# Altium PCB uZed_breakout.PcbDoc (part 4 of 4)
Units mm, origin at the board's own origin, x right, y up, seen from the top; angles counter-clockwise.
Board outline 101.6 x 80.24 mm, 4 copper layers (Top Layer, Layer 1, Layer 2, Bottom Layer), stack 0.603 mm thick; 59 components, 141 nets, 617 pads, 641 vias.
Unrouted connection lines stored in the file: 23.
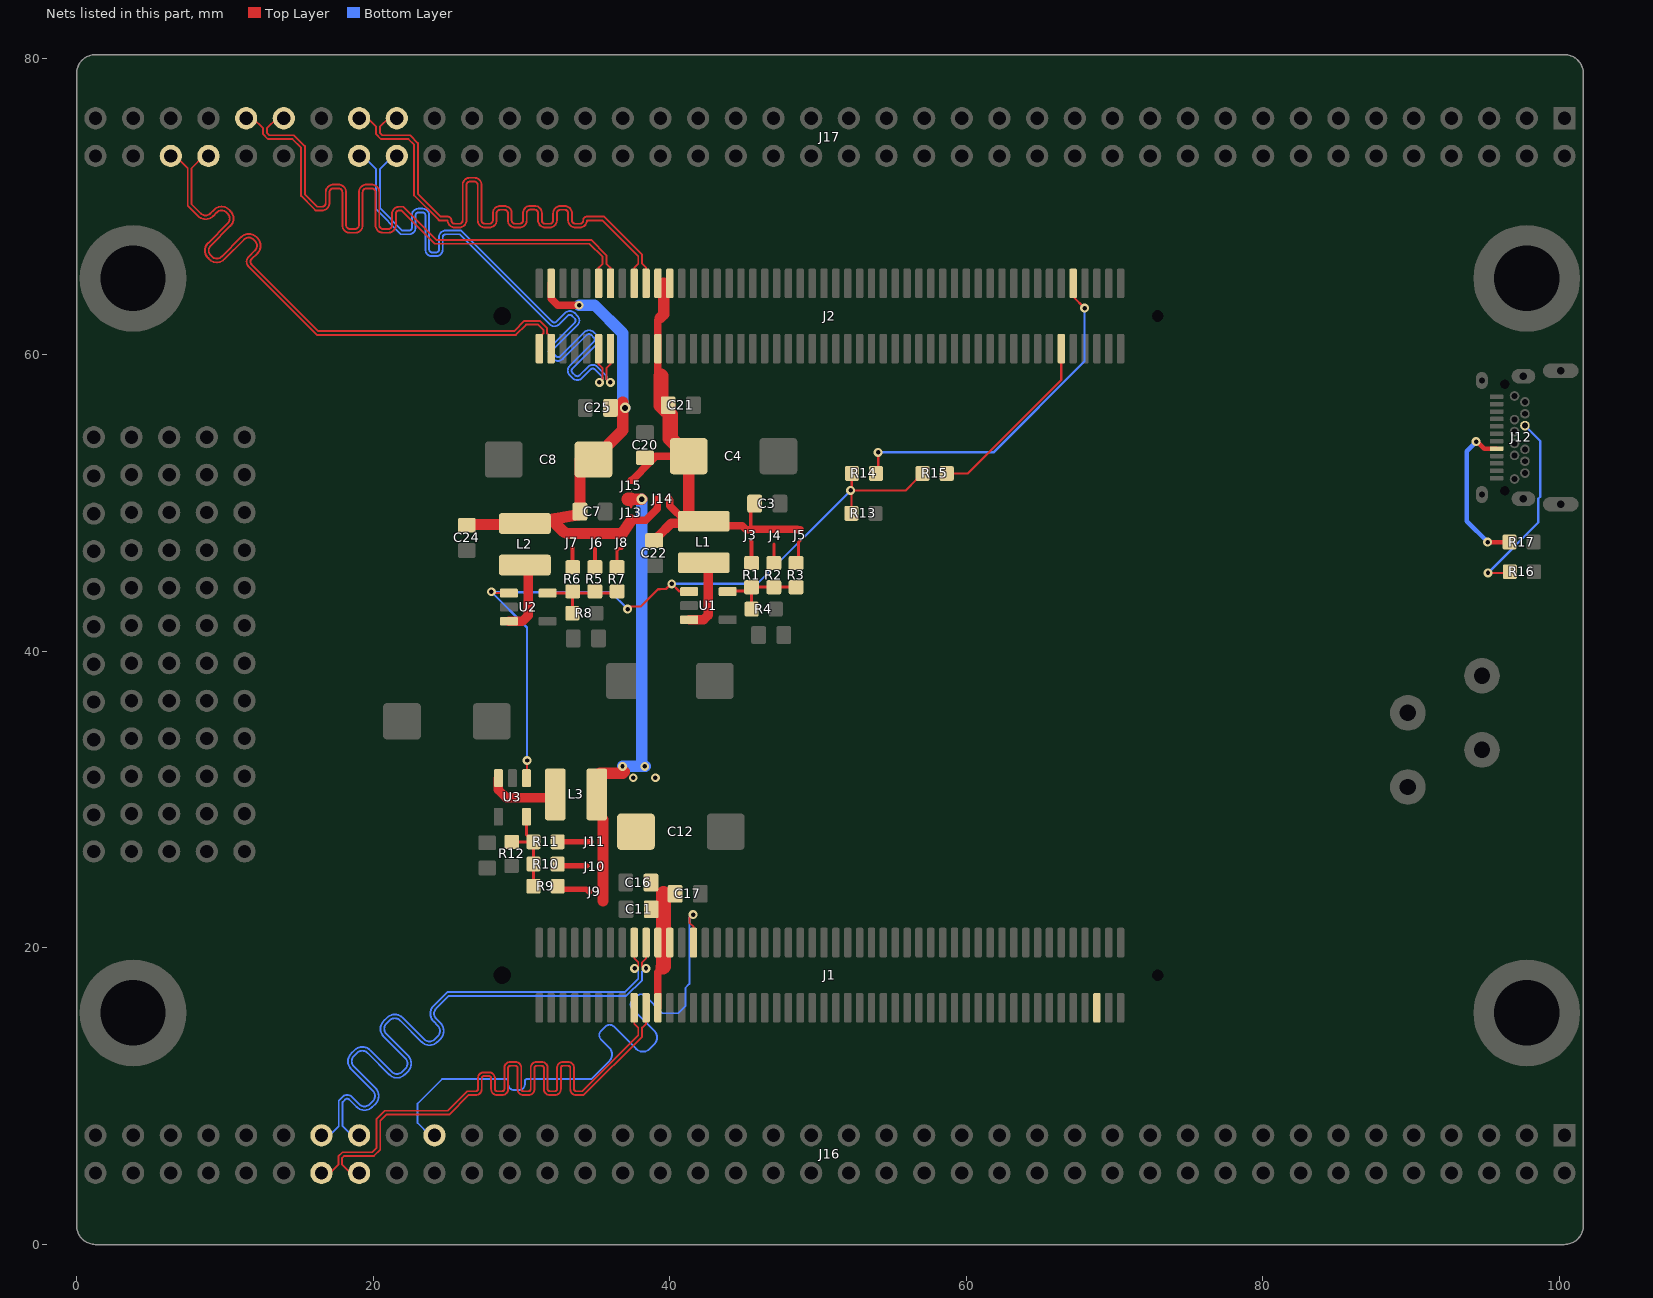
[diagram p6: the nets of this part, all layers, seen from the top]

## Via types
v1: diameter 0.6, hole 0.3, Top Layer to Bottom Layer, 562 vias
v2: diameter 0.6, hole 0.3, Top Layer to Bottom Layer, tented both sides, 75 vias
v3: diameter 0.711, hole 0.381, Top Layer to Bottom Layer, tented both sides, 4 vias

## Nets (pads, with @x,y where several pads share a name; then routed paths per layer and width w, separated by ;. In a path a pad name is that pad's centre, name@x,y a point inside that pad or via, vN(x,y) a via of type N, cw(c..) or ccw(c..) an arc to the next point about the centre after c; other vN are vias at no path point) (continued)
L21_T3_34_P: J1.74 J16.61 | length 41.6
  Top Layer w0.127: v2@41.518,22.25 41.505,22.25 41.327,22.073 41.327,21.698 41.6,21.425 J1.74@41.6,20.361
  Bottom Layer w0.127: J16.61@24.13,7.366 23.825,7.366 22.987,8.204 22.987,9.5 24.638,11.151 28.976,11.151 cw(c28.976,11.019) 29.108,11.019 29.108,10.8 ccw(c29.494,10.8) 29.494,10.414 29.84,10.414 ccw(c29.84,10.8) 30.226,10.8 30.226,11.019 cw(c30.358,11.019) 30.358,11.151 34.701,11.151 35.92,12.37 ccw(c35.466,12.824) 36.109,12.824 ccw(c35.466,12.824) 35.921,13.278 35.356,13.842 cw(c35.631,14.117) 35.356,14.392 35.669,14.705 cw(c35.944,14.43) 36.218,14.705 37.731,13.192 ccw(c38.185,13.647) 38.639,13.192 38.952,13.505 ccw(c38.498,13.959) 39.14,13.959 ccw(c38.498,13.959) 38.952,14.414 37.467,15.899 cw(c37.742,16.174) 37.467,16.449 37.779,16.761 cw(c38.054,16.486) 38.329,16.761 39.494,15.596 40.567,15.596 41.046,16.075 41.046,17.297 41.327,17.578 41.327,22.06 v2@41.518,22.25
  other v2: 41.568,22.25
L21_T3_35_N: J2.84 J17.65 | length 38.4
  Top Layer w0.127: J17.65@19.05,75.946 19.634,75.946 20.193,75.387 20.193,74.876 20.52,74.549 22.377,74.549 22.758,74.168 22.758,70.739 24.409,69.088 24.435,69.063 25.019,69.063 ccw(c25.502,69.063) 25.502,68.58 25.806,68.58 ccw(c25.806,69.063) 26.289,69.063 26.289,71.45 cw(c26.518,71.45) 26.518,71.679 26.822,71.679 cw(c26.822,71.45) 27.051,71.45 27.051,69.063 ccw(c27.534,69.063) 27.534,68.58 27.838,68.58 ccw(c27.838,69.063) 28.321,69.063 28.321,69.545 cw(c28.55,69.545) 28.55,69.774 28.854,69.774 cw(c28.854,69.545) 29.083,69.545 29.083,69.063 ccw(c29.566,69.063) 29.566,68.58 29.87,68.58 ccw(c29.87,69.063) 30.353,69.063 30.353,69.554 cw(c30.582,69.554) 30.582,69.783 30.886,69.783 cw(c30.886,69.554) 31.115,69.554 31.115,69.063 ccw(c31.598,69.063) 31.598,68.58 31.902,68.58 ccw(c31.902,69.063) 32.385,69.063 32.385,69.545 cw(c32.614,69.545) 32.614,69.774 32.918,69.774 cw(c32.918,69.545) 33.147,69.545 33.147,69.063 ccw(c33.63,69.063) 33.63,68.58 33.934,68.58 ccw(c33.934,69.063) 34.417,69.063 35.46,69.063 37.873,66.65 37.873,66.148 37.6,65.875 J2.84@37.6,64.811
L21_T3_35_P: J2.82 J17.63 | length 38.4
  Top Layer w0.127: J17.63@21.59,75.946 21.031,75.946 20.447,75.362 20.447,74.981 20.625,74.803 22.483,74.803 23.012,74.273 23.012,70.844 24.54,69.317 25.019,69.317 cw(c25.019,69.063) 25.273,69.063 ccw(c25.502,69.063) 25.502,68.834 25.806,68.834 ccw(c25.806,69.063) 26.035,69.063 26.035,71.45 cw(c26.518,71.45) 26.518,71.933 26.822,71.933 cw(c26.822,71.45) 27.305,71.45 27.305,69.063 ccw(c27.534,69.063) 27.534,68.834 27.838,68.834 ccw(c27.838,69.063) 28.067,69.063 28.067,69.545 cw(c28.55,69.545) 28.55,70.028 28.854,70.028 cw(c28.854,69.545) 29.337,69.545 29.337,69.063 ccw(c29.566,69.063) 29.566,68.834 29.87,68.834 ccw(c29.87,69.063) 30.099,69.063 30.099,69.554 cw(c30.582,69.554) 30.582,70.037 30.886,70.037 cw(c30.886,69.554) 31.369,69.554 31.369,69.063 ccw(c31.598,69.063) 31.598,68.834 31.902,68.834 ccw(c31.902,69.063) 32.131,69.063 32.131,69.545 cw(c32.614,69.545) 32.614,70.028 32.918,70.028 cw(c32.918,69.545) 33.401,69.545 33.401,69.063 ccw(c33.63,69.063) 33.63,68.834 33.934,68.834 ccw(c33.934,69.063) 34.163,69.063 cw(c34.417,69.063) 34.417,69.317 35.565,69.317 38.127,66.755 38.127,66.148 38.4,65.875 J2.82@38.4,64.811
L22_T3_13_N: J2.99 J17.76 | length 40.6
  Top Layer w0.127: J17.76@6.35,73.406 6.655,73.406 7.493,72.568 7.493,70.05 8.197,69.345 ccw(c8.699,69.847) 9.201,69.345 9.455,69.598 cw(c9.777,69.276) 10.099,69.598 10.191,69.507 cw(c9.869,69.184) 10.325,69.184 cw(c9.869,69.184) 10.191,68.862 8.86,67.531 ccw(c9.362,67.029) 8.86,66.527 8.952,66.436 ccw(c9.454,66.938) 9.956,66.436 11.287,67.766 cw(c11.609,67.444) 11.931,67.766 12.023,67.675 cw(c11.701,67.352) 12.157,67.352 cw(c11.701,67.352) 12.023,67.03 11.606,66.613 ccw(c11.944,66.275) 11.606,65.937 16.202,61.341 18.208,61.341 29.62,61.341 30.306,62.027 31.117,62.027 31.473,61.671 31.473,61.445 31.2,61.172 J2.99@31.2,60.411
L22_T3_13_P: J2.97 J17.74 | length 40.6
  Top Layer w0.127: J17.74@8.89,73.406 8.585,73.406 7.747,72.568 7.747,70.155 8.377,69.525 ccw(c8.699,69.847) 9.022,69.525 9.275,69.778 cw(c9.777,69.276) 10.279,69.778 10.371,69.686 cw(c9.869,69.184) 10.579,69.184 cw(c9.869,69.184) 10.371,68.682 9.04,67.352 ccw(c9.362,67.029) 9.04,66.707 9.131,66.615 ccw(c9.454,66.938) 9.776,66.615 11.107,67.946 cw(c11.609,67.444) 12.111,67.946 12.203,67.854 cw(c11.701,67.352) 12.411,67.352 cw(c11.701,67.352) 12.203,66.85 11.786,66.433 ccw(c11.944,66.275) 11.786,66.116 16.307,61.595 18.208,61.595 29.515,61.595 30.201,62.281 31.223,62.281 31.727,61.776 31.727,61.44 32,61.167 J2.97@32,60.411
L22_T3_34_N: J1.83 J16.68 | length 41.2
  Top Layer w0.127: J16.68@16.51,4.826 17.094,4.826 17.653,5.385 17.653,5.947 17.929,6.223 19.939,6.223 20.218,6.502 20.218,8.462 20.774,9.017 25.015,9.017 26.336,10.338 26.924,10.338 ccw(c26.924,10.477) 27.064,10.477 27.064,11.213 cw(c27.457,11.213) 27.457,11.607 27.813,11.607 cw(c27.813,11.213) 28.207,11.213 28.207,10.477 ccw(c28.346,10.477) 28.346,10.338 28.702,10.338 ccw(c28.702,10.477) 28.842,10.477 28.842,11.913 cw(c29.235,11.913) 29.235,12.306 29.591,12.306 cw(c29.591,11.913) 29.985,11.913 29.985,10.477 ccw(c30.124,10.477) 30.124,10.338 30.48,10.338 ccw(c30.48,10.477) 30.62,10.477 30.62,11.913 cw(c31.013,11.913) 31.013,12.306 31.369,12.306 cw(c31.369,11.913) 31.763,11.913 31.763,10.477 ccw(c31.902,10.477) 31.902,10.338 32.258,10.338 ccw(c32.258,10.477) 32.398,10.477 32.398,11.913 cw(c32.791,11.913) 32.791,12.306 33.147,12.306 cw(c33.147,11.913) 33.541,11.913 33.541,10.477 ccw(c33.68,10.477) 33.68,10.338 34.087,10.338 37.873,14.124 37.873,14.624 37.6,14.897 J1.83@37.6,15.961
L22_T3_34_P: J1.81 J16.66 | length 41.2
  Top Layer w0.127: J16.66@19.05,4.826 18.466,4.826 17.907,5.385 17.907,5.842 18.034,5.969 20.044,5.969 20.472,6.397 20.472,8.357 20.879,8.763 25.121,8.763 26.441,10.084 26.924,10.084 ccw(c26.924,10.477) 27.318,10.477 27.318,11.213 cw(c27.457,11.213) 27.457,11.353 27.813,11.353 cw(c27.813,11.213) 27.953,11.213 27.953,10.477 ccw(c28.346,10.477) 28.346,10.084 28.702,10.084 ccw(c28.702,10.477) 29.096,10.477 29.096,11.913 cw(c29.235,11.913) 29.235,12.052 29.591,12.052 cw(c29.591,11.913) 29.731,11.913 29.731,10.477 ccw(c30.124,10.477) 30.124,10.084 30.48,10.084 ccw(c30.48,10.477) 30.874,10.477 30.874,11.913 cw(c31.013,11.913) 31.013,12.052 31.369,12.052 cw(c31.369,11.913) 31.509,11.913 31.509,10.477 ccw(c31.902,10.477) 31.902,10.084 32.258,10.084 ccw(c32.258,10.477) 32.652,10.477 32.652,11.913 cw(c32.791,11.913) 32.791,12.052 33.147,12.052 cw(c33.147,11.913) 33.287,11.913 33.287,10.477 ccw(c33.68,10.477) 33.68,10.084 34.192,10.084 38.127,14.019 38.127,14.624 38.4,14.897 J1.81@38.4,15.961
L22_T3_35_N: J2.89 J17.66 | length 42.6
  Top Layer w0.127: J2.89@35.2,60.411 35.2,59.347 35.473,59.074 35.473,58.331 v2@35.283,58.141
  Bottom Layer w0.127: J17.66@19.05,73.406 19.304,73.406 20.193,72.517 20.193,69.796 21.866,68.123 22.413,68.123 ccw(c22.413,68.57) 22.86,68.57 22.86,69.403 cw(c23.053,69.403) 23.053,69.596 23.327,69.596 cw(c23.327,69.403) 23.52,69.403 23.52,67.097 ccw(c23.967,67.097) 23.967,66.65 24.242,66.65 ccw(c24.242,67.097) 24.689,67.097 24.689,67.93 cw(c24.882,67.93) 24.882,68.123 25.828,68.123 31.902,62.049 ccw(c32.218,62.366) 32.534,62.049 33.123,62.639 cw(c33.259,62.502) 33.396,62.639 33.59,62.445 cw(c33.453,62.308) 33.646,62.308 cw(c33.453,62.308) 33.59,62.172 31.959,60.541 ccw(c32.275,60.225) 31.959,59.909 32.153,59.715 ccw(c32.469,60.031) 32.785,59.715 34.416,61.345 cw(c34.553,61.209) 34.689,61.345 34.883,61.151 cw(c34.747,61.015) 34.94,61.015 cw(c34.747,61.015) 34.883,60.878 33.252,59.248 ccw(c33.568,58.931) 33.252,58.615 33.446,58.421 ccw(c33.762,58.737) 34.078,58.421 34.668,59.01 cw(c34.804,58.874) 34.941,59.01 35.473,58.478 35.473,58.331 v2@35.283,58.141
  other v2: 35.257,58.141
L22_T3_35_P: J2.87 J17.64 | length 42.6
  Top Layer w0.127: v2@35.918,58.141 35.727,58.331 35.727,59.074 36,59.347 J2.87@36,60.411
  Bottom Layer w0.127: J17.64@21.59,73.406 21.336,73.406 20.447,72.517 20.447,69.901 21.971,68.377 22.413,68.377 ccw(c22.413,68.57) 22.606,68.57 22.606,69.403 cw(c23.053,69.403) 23.053,69.85 23.327,69.85 cw(c23.327,69.403) 23.774,69.403 23.774,67.097 ccw(c23.967,67.097) 23.967,66.904 24.242,66.904 ccw(c24.242,67.097) 24.435,67.097 24.435,67.93 cw(c24.882,67.93) 24.882,68.377 25.933,68.377 32.081,62.229 ccw(c32.218,62.366) 32.354,62.229 32.943,62.818 cw(c33.259,62.502) 33.576,62.818 33.769,62.624 cw(c33.453,62.308) 33.9,62.308 cw(c33.453,62.308) 33.769,61.992 32.139,60.361 ccw(c32.275,60.225) 32.139,60.088 32.333,59.894 ccw(c32.469,60.031) 32.606,59.894 34.236,61.525 cw(c34.553,61.209) 34.869,61.525 35.063,61.331 cw(c34.747,61.015) 35.194,61.015 cw(c34.747,61.015) 35.063,60.699 33.432,59.068 ccw(c33.568,58.931) 33.432,58.795 33.626,58.601 ccw(c33.762,58.737) 33.899,58.601 34.488,59.19 cw(c34.804,58.874) 35.12,59.19 35.727,58.583 35.727,58.331 v2@35.918,58.141
  other v2: 35.994,58.141
L23_T3_34_N: J1.84 J16.67 | length 42.9
  Top Layer w0.127: J1.84@37.6,20.361 37.6,19.298 37.873,19.025 37.873,18.745 37.746,18.618 v2@37.683,18.618
  Bottom Layer w0.127: J16.67@16.51,7.366 17.069,7.366 17.678,7.976 17.678,9.706 17.931,9.959 cw(c18.243,9.646) 18.555,9.959 19.062,9.452 ccw(c19.41,9.8) 19.759,9.452 19.978,9.671 ccw(c19.63,10.02) 20.122,10.02 ccw(c19.63,10.02) 19.978,10.368 18.52,11.826 cw(c19.048,12.354) 18.52,12.883 18.739,13.102 cw(c19.267,12.574) 19.795,13.102 21.253,11.643 ccw(c21.602,11.992) 21.95,11.643 22.169,11.862 ccw(c21.821,12.211) 22.314,12.211 ccw(c21.821,12.211) 22.169,12.559 20.711,14.018 cw(c21.239,14.546) 20.711,15.074 20.93,15.293 cw(c21.458,14.765) 21.986,15.293 23.444,13.834 ccw(c23.793,14.183) 24.141,13.834 24.36,14.054 ccw(c24.012,14.402) 24.505,14.402 ccw(c24.012,14.402) 24.36,14.75 24.069,15.041 cw(c24.597,15.569) 24.069,16.097 24.914,16.942 24.99,17.018 36.959,17.018 37.873,17.932 37.873,18.428 v2@37.683,18.618
  other v2: 37.632,18.618
L23_T3_34_P: J1.82 J16.65 | length 42.9
  Top Layer w0.127: v2@38.318,18.618 38.254,18.618 38.127,18.745 38.127,19.025 38.4,19.298 J1.82@38.4,20.361
  Bottom Layer w0.127: J16.65@19.05,7.366 18.542,7.366 17.932,7.976 17.932,9.601 18.11,9.779 cw(c18.243,9.646) 18.376,9.779 18.882,9.272 ccw(c19.41,9.8) 19.939,9.272 20.158,9.492 ccw(c19.63,10.02) 20.376,10.02 ccw(c19.63,10.02) 20.158,10.548 18.699,12.006 cw(c19.048,12.354) 18.699,12.703 18.918,12.922 cw(c19.267,12.574) 19.615,12.922 21.074,11.464 ccw(c21.602,11.992) 22.13,11.464 22.349,11.683 ccw(c21.821,12.211) 22.568,12.211 ccw(c21.821,12.211) 22.349,12.739 20.89,14.197 cw(c21.239,14.546) 20.89,14.894 21.11,15.113 cw(c21.458,14.765) 21.806,15.113 23.265,13.655 ccw(c23.793,14.183) 24.321,13.655 24.54,13.874 ccw(c24.012,14.402) 24.759,14.402 ccw(c24.012,14.402) 24.54,14.93 24.249,15.221 cw(c24.597,15.569) 24.249,15.918 25.095,16.764 37.064,16.764 38.127,17.827 38.127,18.428 v2@38.318,18.618
  other v2: 38.394,18.618
L23_T3_35_N: J2.90 J17.71 | length 42.6
  Top Layer w0.127: J17.71@11.151,76.098 J17.71@11.43,76.098 ; J17.71@11.43,75.946 11.887,75.946 12.573,75.26 12.573,74.876 12.9,74.549 14.551,74.549 15.138,73.961 15.138,70.71 15.973,69.875 16.125,69.723 16.536,69.723 ccw(c16.536,70.241) 17.054,70.241 17.054,70.957 cw(c17.318,70.957) 17.318,71.222 17.654,71.222 cw(c17.654,70.957) 17.918,70.957 17.918,68.743 ccw(c18.436,68.743) 18.436,68.224 18.771,68.224 ccw(c18.771,68.743) 19.289,68.743 19.289,70.957 cw(c19.554,70.957) 19.554,71.222 19.889,71.222 cw(c19.889,70.957) 20.153,70.957 20.153,68.743 ccw(c20.671,68.743) 20.671,68.224 21.007,68.224 ccw(c21.007,68.743) 21.525,68.743 21.525,69.505 cw(c21.742,69.505) 21.742,69.723 21.917,69.723 24.152,67.488 34.584,67.488 35.473,66.599 35.473,66.148 35.2,65.875 J2.90@35.2,64.811
L23_T3_35_P: J2.88 J17.69 | length 42.3
  Top Layer w0.127: J17.69@13.97,75.946 13.513,75.946 12.827,75.26 12.827,74.981 13.005,74.803 14.656,74.803 15.392,74.066 15.392,70.815 16.231,69.977 16.536,69.977 ccw(c16.536,70.241) 16.8,70.241 16.8,70.957 cw(c17.318,70.957) 17.318,71.476 17.654,71.476 cw(c17.654,70.957) 18.172,70.957 18.172,68.743 ccw(c18.436,68.743) 18.436,68.478 18.771,68.478 ccw(c18.771,68.743) 19.035,68.743 19.035,70.957 cw(c19.554,70.957) 19.554,71.476 19.889,71.476 cw(c19.889,70.957) 20.407,70.957 20.407,68.743 ccw(c20.671,68.743) 20.671,68.478 21.007,68.478 ccw(c21.007,68.743) 21.271,68.743 21.271,69.505 cw(c21.742,69.505) 21.742,69.977 22.022,69.977 24.257,67.742 34.689,67.742 35.727,66.704 35.727,66.148 36,65.875 J2.88@36,64.811
NetJ3_2: J3.2 R1.1 | length 1.5
  Top Layer w0.254: 45.472,47.45 45.517,47.406 R1.1@45.517,45.949
NetJ4_2: J4.2 R2.1 | length 1.3
  Top Layer w0.203: R2.1@47.015,45.949 47.015,47.244
NetJ5_2: J5.2 R3.1 | length 1.6
  Top Layer w0.203: R3.1@48.514,45.949 48.692,46.127 48.692,47.371 J5.2@48.793,47.473
NetJ6_2: J6.2 R5.2 | length 1.3
  Top Layer w0.254: 34.943,46.925 34.95,46.925 R5.2@34.95,45.669
NetJ7_2: J7.2 R6.2 | length 1.3
  Top Layer w0.254: J7.2@33.436,46.967 33.436,45.669 R6.2@33.452,45.669
NetJ8_2: J8.2 R7.2 | length 1.5
  Top Layer w0.203: R7.2@36.449,45.669 36.449,46.806 36.568,46.925 36.778,46.925
NetJ9_2: J9.2 R9.1 | length 2.3
  Top Layer w0.381: R9.1@32.436,24.155 32.721,23.952 34.381,23.952 34.535,23.798 J9.2@34.596,23.798
NetJ10_2: J10.2 R10.1 | length 2
  Top Layer w0.381: R10.1@32.436,25.654 32.721,25.552 34.38,25.552
NetJ11_2: J11.2 R11.1 | length 2.2
  Top Layer w0.381: R11.1@32.436,27.153 34.654,27.153 34.676,27.175
NetJ12_A5: J12.A5 R17.1 | length 10.7
  Top Layer w0.305: v2(94.375,54.139) 94.455,54.139 94.922,53.672 95.751,53.672 J12.A5@95.753,53.67 ; v1(95.148,47.371) R17.1@96.621,47.371
  Bottom Layer w0.305: v2(94.375,54.139) 93.739,53.503 93.739,48.781 v1(95.148,47.371)
NetJ12_B5: J12.B5 R16.1 | length 13.3
  Top Layer w0.152: v1(95.174,45.288) 96.571,45.288 R16.1@96.647,45.364
  Bottom Layer w0.152: v1(95.174,45.288) 98.566,48.681 98.566,50.281 98.704,50.419 98.704,54.178 J12.B5@97.663,55.22
NetL1_1: L1.1 U1.3 | length 5
  Top Layer w0.635: U1.3@41.321,42.128 42.281,42.128 42.596,42.443 42.596,45.793 L1.1@42.418,45.971
NetL2_1: L2.1 U2.3 | length 5
  Top Layer w0.635: U2.3@29.155,42.027 30.063,42.027 30.455,42.418 30.455,45.59 L2.1@30.226,45.819
NetL3_1: L3.1 U3.3 | length 4.9
  Top Layer w0.635: U3.3@28.438,31.45 28.438,30.668 28.981,30.124 32.052,30.124 L3.1@32.28,30.353
NetR1_2: R1.2 R2.2 R3.2 R4.1 U1.5 | length 6.3
  Top Layer w0.203: U1.5@43.769,44.054 45.248,44.054 R1.2@45.517,44.323 ; R4.1@45.517,42.85 R1.2@45.517,44.323 ; R3.2@48.514,44.323 R2.2@47.015,44.323 R1.2@45.517,44.323
NetR5_1: R5.1 R6.1 R7.1 R8.2 U2.5 | length 6.2
  Top Layer w0.203: U2.5@31.755,43.927 R6.1@33.452,43.927 ; R8.2@33.426,42.57 33.452,42.596 R6.1@33.452,43.927 ; R6.1@33.452,44.043 R6.1@33.452,43.927 ; R7.1@36.449,44.043 36.332,43.927 R6.1@33.452,43.927
NetR9_2: R9.2 R10.2 R11.2 R12.1 U3.5 | length 6.4
  Top Layer w0.203: R12.1@29.337,27.153 R11.2@30.81,27.153 ; U3.5@30.338,28.85 30.338,27.625 R11.2@30.81,27.153 ; R9.2@30.81,24.155 R10.2@30.81,25.654 R11.2@30.81,27.153
PG_1V8: J2.10 R14.2 | length 23.5
  Top Layer w0.152: R14.2@53.899,51.994 54.051,52.146 v2(54.051,53.416) ; J2.10@67.2,64.811 67.2,63.915 v2(67.97,63.144)
  Bottom Layer w0.152: v2(54.051,53.416) 61.824,53.416 67.97,59.563 v2(67.97,63.144)
PG_CARRIER: J2.11 R15.2 | length 12.5
  Top Layer w0.152: R15.2@58.674,51.994 60.096,51.994 66.4,58.297 J2.11@66.4,60.411
PWR_EN: J1.5
REG_EN: R13.2 R14.1 R15.1 U1.1 U2.1 U3.1 | length 52.3
  Top Layer w0.152: v2(27.965,44.018) 28.057,43.927 U2.1@29.155,43.927 ; U3.1@30.338,31.45 30.378,31.49 v2(30.378,32.639) ; v2(37.16,42.85) 37.338,43.028 38.049,43.028 39.209,44.187 39.317,44.187 39.326,44.197 39.739,44.197 40.094,44.552 v2(40.132,44.552) 40.655,44.028 U1.1@41.3,44.028 U1.1@41.321,44.028 ; R13.2@52.248,49.301 52.248,50.8 v2(52.197,50.851) ; R14.1@52.273,51.994 52.273,50.927 v2(52.197,50.851) ; R15.1@57.048,51.994 57.048,51.992 56.653,51.596 56.651,51.596 55.905,50.851 v2(52.197,50.851)
  Bottom Layer w0.152: v2(27.965,44.018) v2@27.991,43.993 ; v2(30.378,32.639) 30.378,41.605 v2@27.991,43.993 ; v2(37.16,42.85) 36.017,43.993 v2@27.991,43.993 ; v2(40.132,44.552) 45.885,44.552 45.925,44.591 45.937,44.591 v2(52.197,50.851)
VCCIO_13: C7.2 C8.1 C24.2 C25.2 J2.98 J6.1 J7.1 J8.1 J13.2 J14.2 L2.2 | length 37.2
  Top Layer w0.508: J2.98@32,64.811 32,63.78 32.443,63.336 v2(33.882,63.336) ; 37.41,48.831 38.366,48.831 39.158,49.622 39.158,50.279
  Top Layer w0.762: C24.2@26.314,48.5 26.373,48.559 30.167,48.559 L2.2@30.226,48.619 31.695,48.838 32.263,48.937 33.822,49.21 C7.2@33.941,49.429 33.941,52.934 C8.1@34.851,52.934 36.83,54.912 36.83,56.413 36.83,56.82 ; 32.326,48.574 32.846,48.054 ; 33.081,47.944 33.436,47.944 34.943,47.944 36.499,47.944 36.524,47.944 36.55,47.944 36.575,47.944 36.6,47.944 36.626,47.944 36.651,47.944 36.677,47.944 36.702,47.944 36.727,47.944 36.753,47.944 36.778,47.944 36.786,47.944 37.41,48.831
  Bottom Layer w0.508: v2(33.882,63.336) v2@33.882,63.361
  Bottom Layer w0.762: v2(33.882,63.336) 33.893,63.348 34.925,63.348 36.828,61.445 36.828,56.568 v3(36.982,56.413)
VCCIO_34: C11.2 C12.1 C16.2 C17.2 J1.78 J1.79 J1.80 J9.1 J10.1 J11.1 J13.1 J15.1 L3.2 | length 37.7
  Top Layer w0.203: 37.389,49.733 37.389,50.251
  Top Layer w0.508: J1.79@39.2,15.961 39.2,18.372 39.548,18.72
  Top Layer w0.762: L3.2@35.08,30.353 35.08,31.563 35.299,31.782 36.823,31.782 36.926,31.885 ; 35.501,23.168 L3.2@35.501,28.647 ; 37.156,50.223 37.184,50.251 ; 37.389,50.251 v3(38.106,50.251) ; C12.1@37.717,27.838 C12.1@37.767,27.838
  Top Layer w0.889: 37.184,50.251 37.389,50.251
  Top Layer w1.016: 39.548,18.72 39.573,18.745 39.573,23.673
  Bottom Layer w0.762: v2(36.811,32.246) 38.354,32.246 38.106,32.494 v3(38.106,50.251)
  other v2: 37.535,31.475 39.034,31.475 38.309,32.246
VCCIO_35: C3.2 C4.1 C20.2 C21.2 C22.2 J2.78 J2.79 J2.80 J3.1 J4.1 J5.1 J14.1 J15.2 L1.2 | length 35.7
  Top Layer w0.254: 45.472,48.212 45.466,48.218 45.466,48.221 45.466,49.909 C3.2@45.62,50.063
  Top Layer w0.508: 37.389,51.552 37.461,51.552 38.693,52.784 39.066,53.158 C4.1@40.894,53.158 ; 39.345,62.484 39.2,62.339 J2.79@39.2,60.411 39.2,58.793 39.421,58.572 ; 39.92,50.279 40.005,50.194 40.005,49.832 L1.2@41.066,48.771 ; L1.2@43.028,48.771 43.345,48.453 44.899,48.453 45.141,48.212 45.472,48.212 ; 45.466,48.221 45.472,48.221 47.091,48.224 47.095,48.228 48.589,48.228 48.633,48.184 J5.1@48.793,48.184
  Top Layer w0.635: C22.2@38.938,47.481 39.048,47.481 39.221,47.653 39.221,47.763 40.084,48.627 41.128,48.627 41.273,48.771 L1.2@42.291,48.771 ; L1.2@42.418,48.771 L1.2@43.028,48.771
  Top Layer w0.762: 39.345,62.484 39.599,62.738 39.599,64.811 ; L1.2@41.273,48.99 C4.1@41.273,53.162
  Top Layer w1.016: 39.421,58.572 39.421,56.591 C21.2@39.649,56.363 ; C21.2@39.892,56.591 39.878,56.591 C21.2@39.649,56.363 ; C4.1@40.894,53.158 40.894,53.491 40.03,54.354 40.03,55.982 C21.2@39.649,56.363
pads on no net: C1.0 C2.0 C3.0 C4.0 C6.0 C7.0 C8.0 C9.0 C10.0 C11.0 C12.0 C16.0 C17.0 C20.0 C21.0 C22.0 C24.0 C25.0 J1. J1.1 J1.2 J1.3 J1.4 J1.6 J1.7 J1.8 J1.108 J2. J2.1 J2.2 J2.3 J2.4 J2.5 J2.6 J2.7 J2.8 J2.9 J2.108 J12.1 J12.A2 J12.A3 J12.A6 J12.A7 J12.A8 J12.A10 J12.A11 J12.B2 J12.B3 J12.B6 J12.B7 J12.B8 J12.B10 J12.B11 R1.0 R2.0 R3.0 R4.0 R5.0 R6.0 R7.0 R8.0 R9.0 R10.0 R11.0 R12.0 R13.0 R14.0 R15.0 R16.0 R17.0 U1.0 U2.0 U3.0

## Polygon pours and split planes (outlines as drawn)
GND on Top Layer "Top Layer-GND" (solid, pour order 38): 0.102,71.476 5.08,71.476 5.08,72.339 6.731,70.688 6.731,69.647 7.874,68.504 7.874,66.472 14.326,60.02 29.337,60.02 30.607,61.29 33.757,61.29 33.757,65.456 34.175,65.875 70.727,65.875 70.942,65.659 70.942,61.011 85.242,61.011 94.488,70.256 95.707,70.688 98.12,72.136 98.146,72.111 101.549,72.111 101.549,9.423 101.168,9.042 97.46,9.042 86.97,19.533 70.739,19.533 70.612,19.406 70.612,15.113 70.561,15.062 70.18,15.443 30.988,15.443 30.988,20.244 30.429,20.803 14.503,20.803 2.083,8.382 0.152,8.382 0.076,8.458 0.102,8.484
GND on Top Layer "Bottom" (solid, pour order 14): 98.908,76.175 98.908,76.835 88.875,76.835 88.875,76.505 88.468,76.098 88.468,72.568 86.335,72.568 86.335,76.835 76.175,76.835 76.175,76.581 75.717,76.124 75.717,72.517 73.635,72.517 73.635,76.835 68.529,76.835 68.529,76.556 68.148,76.175 68.148,72.619 66.015,72.619 66.015,76.835 60.96,76.835 60.452,76.327 60.477,76.302 60.477,72.746 58.903,72.746 58.318,73.33 58.318,76.835 53.289,76.835 53.289,76.505 52.934,76.149 52.934,72.365 51.181,72.365 51.181,76.251 50.775,76.657 50.775,76.835 45.822,76.835 45.822,72.466 43.459,72.466 43.459,76.149 43.155,76.454 43.155,76.835 38.1,76.835 38.1,72.365 35.865,72.365 35.865,76.352 35.535,76.683 35.535,76.835 30.429,76.835 30.429,72.238 28.245,72.238 28.245,76.835 17.729,76.835 17.729,72.06 15.215,72.06 15.215,76.835 5.08,76.835 5.08,70.942 0.102,70.942 0.102,78.506 cw(c1.097,78.784) 0.503,79.63 cw(c1.486,78.395) 1.275,79.959 100.346,79.959 cw(c100.347,78.835) 101.143,79.629 101.208,79.564 cw(c100.388,78.742) 101.549,78.74 101.549,71.095 98.933,71.095 98.933,73.787
VCCIO_34 on Top Layer "NONET_L01_P-001" (solid, pour order 10): 35.337,28.258 34.468,29.128 34.468,32.842 34.62,32.995 40.64,32.995 40.807,32.828 40.807,22.849 39.751,21.793 38.049,21.793 37.879,21.963 37.879,25.011 37.414,25.476 36.144,25.476 35.941,25.273 35.966,25.248 35.966,22.809 35.078,22.809 35.027,22.861 35.027,27.838
GND on Top Layer "Bottom" (solid, pour order 45): 2.657,4.089 2.657,3.759 12.69,3.759 12.878,3.947 12.878,8.484 15.23,8.484 15.23,3.581 25.39,3.581 25.39,3.683 25.502,3.794 25.502,8.484 27.93,8.484 27.93,3.607 33.036,3.607 33.036,3.708 33.036,8.484 35.55,8.484 35.55,3.429 40.605,3.429 40.818,3.642 40.818,8.484 43.246,8.484 43.246,3.581 48.276,3.581 48.276,3.759 48.276,8.484 50.587,8.484 50.587,3.81 50.79,3.607 50.79,3.581 55.87,3.581 55.87,8.255 58.207,8.255 58.207,4.013 58.41,3.81 58.41,3.581 63.465,3.581 63.465,8.484 65.903,8.484 65.903,3.708 66.03,3.581 71.136,3.581 71.136,8.245 71.145,8.255 73.65,8.255 73.65,3.581 83.836,3.581 83.836,8.611 86.35,8.611 86.35,3.607 98.999,3.607 98.999,9.373 101.59,9.373 101.59,1.606 cw(c100.293,1.604) 101.209,0.686 cw(c100.29,1.603) 100.289,0.305 1.219,0.305 cw(c1.219,1.432) 0.422,0.635 0.357,0.7 cw(c1.183,1.526) 0.092,1.11 0.092,9.017 2.632,9.017 2.632,6.477
no net on Top Overlay "NONET_L01_P-001" (solid): 77.542,43.349 77.542,53.356 67.535,53.356 67.535,43.349
no net on Top Overlay (solid): 76.225,72.06 76.225,77.114 76.251,77.14 73.508,77.14 73.508,72.111 73.482,72.085
no net on Top Overlay (solid): 12.412,27.571 0.195,27.571 0.169,27.596 0.169,25.462 4.589,25.462 12.412,25.462
no net on Top Overlay (solid): 12.285,55.561 0.068,55.561 0.042,55.587 0.042,53.453 4.462,53.453 12.285,53.453
no net on Top Overlay (solid): 101.651,3.607 101.651,8.661 101.676,8.687 98.933,8.687 98.933,3.658 98.908,3.632
no net on Top Overlay (solid): 86.512,3.581 86.512,8.636 86.538,8.661 83.795,8.661 83.795,3.632 83.769,3.607
no net on Top Overlay (solid): 73.736,3.607 73.736,8.661 73.762,8.687 71.018,8.687 71.018,3.658 70.993,3.632
no net on Top Overlay (solid): 66.091,3.531 66.091,8.585 66.116,8.611 63.373,8.611 63.373,3.581 63.348,3.556
no net on Top Overlay (solid): 58.496,3.556 58.496,8.611 58.522,8.636 55.778,8.636 55.778,3.607 55.753,3.581
no net on Top Overlay (solid): 50.952,3.454 50.952,8.509 50.978,8.534 48.235,8.534 48.235,3.505 48.209,3.48
no net on Top Overlay (solid): 43.282,3.581 43.282,8.636 43.307,8.661 40.564,8.661 40.564,3.632 40.538,3.607
no net on Top Overlay (solid): 35.611,3.531 35.611,8.585 35.636,8.611 32.893,8.611 32.893,3.581 32.868,3.556
no net on Top Overlay (solid): 27.991,3.607 27.991,8.661 28.016,8.687 25.273,8.687 25.273,3.658 25.248,3.632
no net on Top Overlay (solid): 15.316,3.581 15.316,8.636 15.342,8.661 12.598,8.661 12.598,3.632 12.573,3.607
no net on Top Overlay (solid): 2.692,3.581 2.692,8.636 2.718,8.661 -0.025,8.661 -0.025,3.632 -0.051,3.607
no net on Top Overlay (solid): 88.9,72.111 88.9,77.165 88.925,77.191 86.182,77.191 86.182,72.161 86.157,72.136
no net on Top Overlay (solid): 68.605,72.06 68.605,77.114 68.631,77.14 65.888,77.14 65.888,72.111 65.862,72.085
no net on Top Overlay (solid): 60.985,72.085 60.985,77.14 61.011,77.165 58.268,77.165 58.268,72.136 58.242,72.111
no net on Top Overlay (solid): 53.365,72.085 53.365,77.14 53.391,77.165 50.648,77.165 50.648,72.136 50.622,72.111
no net on Top Overlay (solid): 45.872,72.111 45.872,77.165 45.898,77.191 43.155,77.191 43.155,72.161 43.129,72.136
no net on Top Overlay (solid): 38.227,72.136 38.227,77.191 38.252,77.216 35.509,77.216 35.509,72.187 35.484,72.161
no net on Top Overlay (solid): 30.505,72.161 30.505,77.216 30.531,77.241 27.788,77.241 27.788,72.212 27.762,72.187
no net on Top Overlay (solid): -0.051,74.549 5.004,74.549 5.029,74.524 5.029,77.267 0,77.267 -0.025,77.292
no net on Top Overlay (solid): -0.076,77.267 -0.076,72.212 -0.102,72.187 2.642,72.187 2.642,77.216 2.667,77.241
no net on Top Overlay (solid): 15.088,77.241 15.088,72.187 15.062,72.161 17.805,72.161 17.805,77.191 17.831,77.216
GND on Bottom Layer "Bottom Layer-GND" (solid, pour order 44): 0.102,71.476 5.08,71.476 5.08,72.339 6.731,70.688 6.731,69.647 7.874,68.504 7.874,66.472 14.326,60.02 30.988,60.02 33.579,57.658 36.271,57.658 36.271,61.096 37.338,61.096 37.338,61.697 37.496,61.697 37.496,57.658 60.3,57.658 60.3,61.096 84.912,61.096 94.437,70.037 98.146,72.111 101.549,72.111 101.549,9.423 101.168,9.042 97.46,9.042 86.696,19.806 66.801,19.806 64.313,22.835 59.538,22.835 59.538,24.647 41.173,24.647 41.173,19.084 33.96,18.881 30.429,20.803 14.503,20.803 2.083,8.382 0.152,8.382 0.076,8.458 0.102,8.484
VCCIO_34 on Bottom Layer "NONET_L01_P-001" (solid, pour order 16): 35.248,32.975 40.691,32.975 40.691,29.972 35.248,29.972 35.248,32.973
GND on Bottom Layer "Bottom" (solid, pour order 46): 98.908,76.175 98.908,76.835 88.875,76.835 88.875,76.505 88.468,76.098 88.468,72.568 86.335,72.568 86.335,76.835 76.175,76.835 76.175,76.581 75.717,76.124 75.717,72.517 73.635,72.517 73.635,76.835 68.529,76.835 68.529,76.556 68.148,76.175 68.148,72.619 66.015,72.619 66.015,76.835 60.96,76.835 60.452,76.327 60.477,76.302 60.477,72.746 58.903,72.746 58.318,73.33 58.318,76.835 53.289,76.835 53.289,76.505 52.934,76.149 52.934,72.365 51.181,72.365 51.181,76.251 50.775,76.657 50.775,76.835 45.822,76.835 45.822,72.466 43.459,72.466 43.459,76.149 43.155,76.454 43.155,76.835 38.1,76.835 38.1,72.365 35.865,72.365 35.865,76.352 35.535,76.683 35.535,76.835 30.429,76.835 30.429,72.238 28.245,72.238 28.245,76.835 17.729,76.835 17.729,72.06 15.215,72.06 15.215,76.835 5.08,76.835 5.08,70.942 0.102,70.942 0.102,78.506 cw(c1.097,78.784) 0.503,79.63 cw(c1.486,78.395) 1.275,79.959 100.346,79.959 cw(c100.347,78.835) 101.143,79.629 101.208,79.564 cw(c100.388,78.742) 101.549,78.74 101.549,71.095 98.933,71.095 98.933,73.787
GND on Bottom Layer "Bottom" (solid, pour order 22): 2.657,4.089 2.657,3.759 12.69,3.759 12.878,3.947 12.878,8.484 15.23,8.484 15.23,3.581 25.39,3.581 25.39,3.683 25.502,3.794 25.502,8.484 27.93,8.484 27.93,3.607 33.036,3.607 33.036,3.708 33.036,8.484 35.55,8.484 35.55,3.429 40.605,3.429 40.818,3.642 40.818,8.484 43.246,8.484 43.246,3.581 48.276,3.581 48.276,3.759 48.276,8.484 50.587,8.484 50.587,3.81 50.79,3.607 50.79,3.581 55.87,3.581 55.87,8.255 58.207,8.255 58.207,4.013 58.41,3.81 58.41,3.581 63.465,3.581 63.465,8.484 65.903,8.484 65.903,3.708 66.03,3.581 71.136,3.581 71.136,8.245 71.145,8.255 73.65,8.255 73.65,3.581 83.836,3.581 83.836,8.611 86.35,8.611 86.35,3.607 98.999,3.607 98.999,9.373 101.59,9.373 101.59,1.606 cw(c100.293,1.604) 101.209,0.686 cw(c100.29,1.603) 100.289,0.305 1.219,0.305 cw(c1.219,1.432) 0.422,0.635 0.357,0.7 cw(c1.183,1.526) 0.092,1.11 0.092,9.017 2.632,9.017 2.632,6.477
no net on Bottom Overlay (solid): 12.438,27.571 0.22,27.571 0.195,27.596 0.195,25.462 4.614,25.462 12.438,25.462
no net on Bottom Overlay (solid): 12.285,55.561 0.068,55.561 0.042,55.587 0.042,53.453 4.462,53.453 12.285,53.453
no net on Bottom Overlay (solid): 15.075,77.229 15.075,72.174 15.05,72.149 17.793,72.149 17.793,77.178 17.818,77.203
no net on Bottom Overlay (solid): -0.089,77.254 -0.089,72.2 -0.114,72.174 2.629,72.174 2.629,77.203 2.654,77.229
no net on Bottom Overlay (solid): -0.064,74.536 4.991,74.536 5.016,74.511 5.016,77.254 -0.013,77.254 -0.038,77.279
no net on Bottom Overlay (solid): 30.493,72.149 30.493,77.203 30.518,77.229 27.775,77.229 27.775,72.2 27.749,72.174
no net on Bottom Overlay (solid): 38.214,72.123 38.214,77.178 38.24,77.203 35.496,77.203 35.496,72.174 35.471,72.149
no net on Bottom Overlay (solid): 45.86,72.098 45.86,77.153 45.885,77.178 43.142,77.178 43.142,72.149 43.116,72.123
no net on Bottom Overlay (solid): 53.353,72.072 53.353,77.127 53.378,77.153 50.635,77.153 50.635,72.123 50.609,72.098
no net on Bottom Overlay (solid): 60.973,72.072 60.973,77.127 60.998,77.153 58.255,77.153 58.255,72.123 58.229,72.098
no net on Bottom Overlay (solid): 68.593,72.047 68.593,77.102 68.618,77.127 65.875,77.127 65.875,72.098 65.849,72.072
no net on Bottom Overlay (solid): 76.213,72.047 76.213,77.102 76.238,77.127 73.495,77.127 73.495,72.098 73.469,72.072
no net on Bottom Overlay (solid): 88.887,72.098 88.887,77.153 88.913,77.178 86.169,77.178 86.169,72.149 86.144,72.123
no net on Bottom Overlay (solid): 2.692,3.658 2.692,8.712 2.718,8.738 -0.025,8.738 -0.025,3.708 -0.051,3.683
no net on Bottom Overlay (solid): 15.316,3.658 15.316,8.712 15.342,8.738 12.598,8.738 12.598,3.708 12.573,3.683
no net on Bottom Overlay (solid): 27.991,3.683 27.991,8.738 28.016,8.763 25.273,8.763 25.273,3.734 25.248,3.708
no net on Bottom Overlay (solid): 35.611,3.607 35.611,8.661 35.636,8.687 32.893,8.687 32.893,3.658 32.868,3.632
no net on Bottom Overlay (solid): 43.282,3.658 43.282,8.712 43.307,8.738 40.564,8.738 40.564,3.708 40.538,3.683
no net on Bottom Overlay (solid): 50.952,3.531 50.952,8.585 50.978,8.611 48.235,8.611 48.235,3.581 48.209,3.556
no net on Bottom Overlay (solid): 58.496,3.632 58.496,8.687 58.522,8.712 55.778,8.712 55.778,3.683 55.753,3.658
no net on Bottom Overlay (solid): 66.091,3.607 66.091,8.661 66.116,8.687 63.373,8.687 63.373,3.658 63.348,3.632
no net on Bottom Overlay (solid): 73.736,3.683 73.736,8.738 73.762,8.763 71.018,8.763 71.018,3.734 70.993,3.708
no net on Bottom Overlay (solid): 86.512,3.658 86.512,8.712 86.538,8.738 83.795,8.738 83.795,3.708 83.769,3.683
no net on Bottom Overlay (solid): 101.651,3.683 101.651,8.738 101.676,8.763 98.933,8.763 98.933,3.734 98.908,3.708
GND on Layer 1 "NONET_L01_P-001" (solid, pour order 47): 1.778,0.025 1.168,0.025 cw(c1.168,1.194) 0,1.194 0,79.019 cw(c1.219,79.019) 1.219,80.239 100.355,80.239 cw(c100.355,78.994) 101.6,78.994 101.6,1.321 cw(c100.279,1.321) 100.279,0
GND on Layer 2 "NONET_L01_P-001" (solid, pour order 48): 1.803,0 1.194,0 cw(c1.194,1.168) 0.025,1.168 0.025,78.994 cw(c1.245,78.994) 1.245,80.213 100.381,80.213 cw(c100.381,78.969) 101.625,78.969 101.625,1.295 cw(c100.305,1.295) 100.305,-0.025

## Keep-outs
Keep-Out Layer:
  lines w0.05: 1.27,0 cw(c1.27,1.27) 0,1.27 0,78.969 cw(c1.27,78.969) 1.27,80.239 100.33,80.239 cw(c100.33,78.969) 101.6,78.969 101.6,1.27 cw(c100.33,1.27) 100.33,0 1.27,0 ; 1.27,0 1.27,0

## Other copper
Top Layer:
  pour cut-out: 59.591,59.808 59.591,57.756 59.337,57.502 58.27,57.502 58.075,57.697 58.075,59.816
  pour cut-out: 57.178,59.782 57.178,57.73 56.924,57.476 55.857,57.476 55.662,57.671 55.662,59.791
  pour cut-out: 54.689,59.808 54.689,57.756 54.435,57.502 53.368,57.502 53.173,57.697 53.173,59.816
  pour cut-out: 52.352,59.782 52.352,57.73 52.098,57.476 51.031,57.476 50.836,57.671 50.836,59.791
  pour cut-out: 49.913,59.732 49.913,57.68 49.659,57.426 48.593,57.426 48.398,57.62 48.398,59.74
  pour cut-out: 46.764,59.706 46.764,57.654 46.51,57.4 45.443,57.4 45.248,57.595 45.248,59.715
  pour cut-out: 44.402,59.757 44.402,57.705 44.148,57.451 43.081,57.451 42.886,57.646 42.886,59.766
  pour cut-out: 41.963,59.833 41.963,57.781 41.709,57.527 40.642,57.527 40.448,57.722 40.448,59.842
  pour cut-out: 38.814,59.96 38.814,57.908 38.56,57.654 37.493,57.654 37.298,57.849 37.298,59.969
  pour cut-out: 36.375,59.808 36.375,57.756 36.121,57.502 35.054,57.502 34.86,57.697 34.86,59.816
  pour cut-out: 44.224,20.93 42.949,20.93 42.949,24.419 43.203,24.673 44.269,24.673 44.464,24.478 44.464,20.928
  pour cut-out: 46.536,21.082 45.26,21.082 45.26,24.571 45.514,24.825 46.581,24.825 46.776,24.631 46.776,21.081
  pour cut-out: 62.859,20.738 62.859,22.79 63.113,23.044 64.18,23.044 64.374,22.849 64.374,20.73
  pour cut-out: 60.423,20.757 60.423,22.809 60.677,23.063 61.744,23.063 61.939,22.868 61.939,20.748
  pour cut-out: 59.331,21.113 58.055,21.113 58.055,24.603 58.309,24.857 59.376,24.857 59.57,24.662 59.57,21.112
  pour cut-out: 56.913,21.09 55.638,21.09 55.638,24.579 55.892,24.833 56.959,24.833 57.153,24.639 57.153,21.089
  pour cut-out: 54.535,21.09 53.259,21.09 53.259,24.579 53.513,24.833 54.58,24.833 54.775,24.639 54.775,21.089
  pour cut-out: 52.148,21.075 50.873,21.075 50.873,24.564 51.127,24.818 52.193,24.818 52.388,24.623 52.388,21.073
  pour cut-out: 49.739,21.098 48.463,21.098 48.463,24.587 48.717,24.841 49.784,24.841 49.979,24.646 49.979,21.096
Layer 2:
  pour cut-out: 2.715,5.837 2.733,4.089 2.733,3.759 4.792,3.759

## Silkscreen, mask and mechanical layers (free items; w line width, h text height)
Top Overlay:
  circle w0.254: c100.33,73.406 r1.025
  circle w0.254: c100.33,75.946 r1.205
  lines w0.152: 68.961,25.817 69.494,26.35 ; 68.961,25.817 70.028,25.817 ; 68.961,25.817 68.961,26.883 ; 68.961,26.883 69.494,27.417 ; 68.961,26.883 70.028,26.883 ; 69.494,26.35 69.494,27.417 ; 69.494,26.35 70.561,26.35 ; 69.494,27.417 70.561,27.417 ; 70.028,25.817 70.561,26.35 ; 70.028,25.817 70.028,26.883 ; 70.028,26.883 70.561,27.417 ; 70.561,26.35 70.561,27.417
  lines w0.203: 67.742,25.41 68.377,25.41 ; 67.742,25.862 68.377,25.862 ; 67.742,26.314 68.377,26.314 ; 67.742,26.767 68.377,26.767 ; 67.742,27.219 68.377,27.219 ; 67.742,27.671 68.377,27.671 ; 68.605,27.925 68.605,28.56 ; 68.631,24.547 68.631,25.182 ; 69.058,27.925 69.058,28.56 ; 69.083,24.547 69.083,25.182 ; 69.51,27.925 69.51,28.56 ; 69.535,24.547 69.535,25.182 ; 69.962,27.925 69.962,28.56 ; 69.987,24.547 69.987,25.182 ; 70.414,27.925 70.414,28.56 ; 70.439,24.547 70.439,25.182 ; 70.866,27.925 70.866,28.56 ; 70.891,24.547 70.891,25.182 ; 71.12,25.436 71.755,25.436 ; 71.12,25.888 71.755,25.888 ; 71.12,26.34 71.755,26.34 ; 71.12,26.792 71.755,26.792 ; 71.12,27.244 71.755,27.244 ; 71.12,27.696 71.755,27.696 ; 68.377,25.182 68.377,27.925 71.12,27.925 71.12,25.182 68.377,25.182
  text "30" at 65.634,71.806 h1.02 r180
  text "10" at 90.856,71.78 h1.02 r180
  text "80" at 2.184,71.755 h1.02 r180
  text "60" at 27.483,71.755 h1.02 r180
  text "20" at 78.308,71.755 h1.02 r180
  text "50" at 40.31,71.73 h1.02 r180
  text "40" at 53.01,71.704 h1.02 r180
  text "70" at 14.757,71.679 h1.02 r180
  text "IO35" at 101.194,71.501 h2.54 r180
  text "IO35" at 79.172,63.525 h2.54 r180
  text "VCCIO35" at 43.332,55.728 h0.76
  text "VCCIO13" at 28.169,55.499 h0.76
  text "5V Max" at 100.94,42.926 h2.29 r180
  text "VCCIO34" at 37.719,30.404 h0.76
  text "+" at 93.066,30.404 h3.05 r90
  text "uZed Breakout 2V0 2501" at 72.619,27.102 h2.29
  text "www.CircuitValley.com" at 72.568,25.044 h2.29
  text "IO34" at 74.397,17.221 h2.54
  text "IO34" at 96.342,10.236 h2.54
  text "75" at 5.537,9.017 h1.02
  text "5" at 94.92,8.992 h1.02
  text "65" at 18.263,8.966 h1.02
  text "55" at 30.937,8.966 h1.02
  text "25" at 69.088,8.966 h1.02
  text "15" at 81.813,8.966 h1.02
  text "35" at 56.413,8.941 h1.02
  text "45" at 43.536,8.915 h1.02
Bottom Overlay:
  lines w0.152: 31.674,24.902 31.674,25.969 ; 31.674,24.902 32.741,24.902 ; 31.674,24.902 32.207,24.369 ; 31.674,25.969 32.741,25.969 ; 31.674,25.969 32.207,25.436 ; 32.207,24.369 33.274,24.369 ; 32.207,24.369 32.207,25.436 ; 32.207,25.436 33.274,25.436 ; 32.741,24.902 32.741,25.969 ; 32.741,24.902 33.274,24.369 ; 32.741,25.969 33.274,25.436 ; 33.274,24.369 33.274,25.436
  lines w0.203: 30.48,23.988 31.115,23.988 ; 30.48,24.44 31.115,24.44 ; 30.48,24.892 31.115,24.892 ; 30.48,25.344 31.115,25.344 ; 30.48,25.796 31.115,25.796 ; 30.48,26.248 31.115,26.248 ; 31.344,23.099 31.344,23.734 ; 31.369,26.477 31.369,27.112 ; 31.796,23.099 31.796,23.734 ; 31.821,26.477 31.821,27.112 ; 32.248,23.099 32.248,23.734 ; 32.273,26.477 32.273,27.112 ; 32.7,23.099 32.7,23.734 ; 32.725,26.477 32.725,27.112 ; 33.152,23.099 33.152,23.734 ; 33.177,26.477 33.177,27.112 ; 33.604,23.099 33.604,23.734 ; 33.63,26.477 33.63,27.112 ; 33.858,23.962 34.493,23.962 ; 33.858,24.414 34.493,24.414 ; 33.858,24.867 34.493,24.867 ; 33.858,25.319 34.493,25.319 ; 33.858,25.771 34.493,25.771 ; 33.858,26.223 34.493,26.223 ; 31.115,23.734 31.115,26.477 33.858,26.477 33.858,23.734 31.115,23.734
  text "60" at 25.73,71.78 h1.02 r180
  text "80" at 0.457,71.755 h1.02 r180
  text "50" at 38.583,71.755 h1.02 r180
  text "40" at 51.206,71.755 h1.02 r180
  text "20" at 76.606,71.755 h1.02 r180
  text "10" at 89.383,71.755 h1.02 r180
  text "70" at 13.005,71.704 h1.02 r180
  text "30" at 63.932,70.79 h1.02
  text "5V Max" at 101.244,29.083 h2.29 r90
  text "+" at 86.436,27.737 h3.05 r270
  text "+" at 96.368,27.711 h3.05 r270
  text "+" at 91.491,27.635 h3.05 r270
  text "microZed Breakout 2V0 2501" at 30.353,22.758 h2.29
  text "www.CircuitValley.com" at 29.54,21.209 h2.29
  text "5" at 95.606,9.017 h1.02
  text "75" at 7.163,8.992 h1.02
  text "55" at 32.588,8.992 h1.02
  text "15" at 83.261,8.992 h1.02
  text "65" at 19.964,8.966 h1.02
  text "35" at 58.039,8.966 h1.02
  text "25" at 70.764,8.966 h1.02
  text "45" at 45.339,8.941 h1.02
Top Solder:
  text "uZed Breakout 2V0 2501" at 52.179,38.421 h3
  text "www.CircuitValley.com" at 52.229,36.06 h3
Bottom Solder:
  text "uZed Breakout 2V0 2501" at 84.448,35.576 h3
  text "www.CircuitValley.com" at 84.398,33.215 h3